# Allegro board Try it by yourself - iMX6Rex module - ADDR CMD CTL Length Matching.brd (continued)
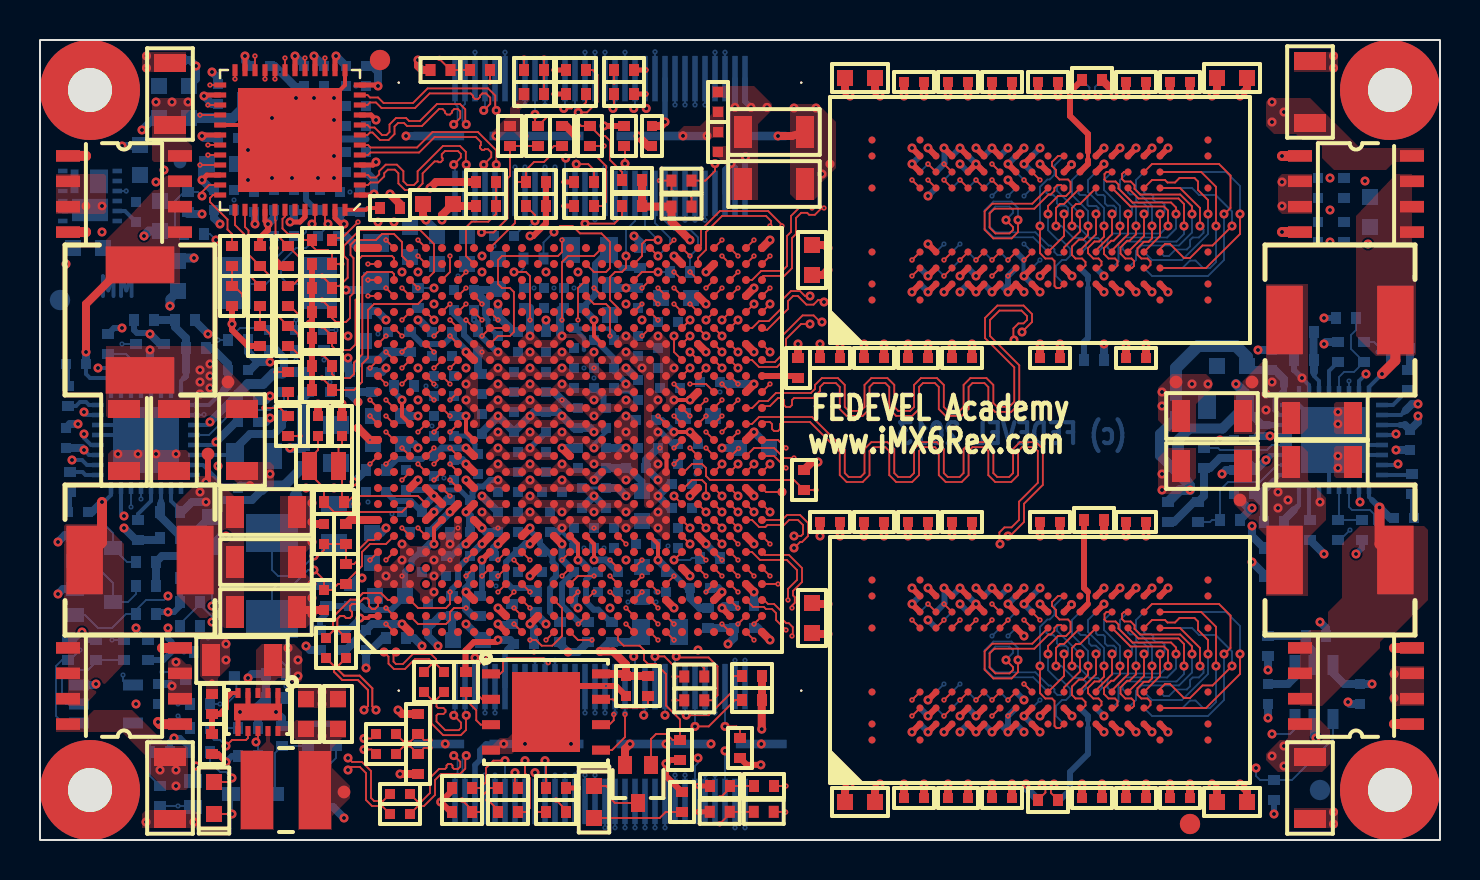
[diagram p0: board, top side]
## Routing (per net, layer and track width the routed paths; a pad name or vN(x,y) marks a point on that pad's centre or on a via; arc(x,y) is an arc through that point) (continued)
  L10 w0.08: v4(13.2,33.7) 13.2,33 12.8,32.6 11.4,32.6 11.1,32.9 10.9,32.9 10.75,32.75 10.75,31.8 10.6,31.65 10.35,31.65 10.2,31.8 10.2,32.1 10.02,32.28 9.31,32.28 9.16,32.13 9.16,31.88 9.31,31.73 9.47,31.73 9.62,31.57 9.62,31.33 9.47,31.18 8.57,31.18 8.3,30.9 7.95,30.9 7.8,30.75 7.8,30.5 7.95,30.35 8.2,30.35 8.35,30.2 8.35,29.95 8.2,29.8 7.1,29.8 6.95,29.65 6.95,29.4 7.09,29.26 7.09,29.04 6.9,28.85 6.5,28.85 6.35,28.7 6.35,28.45 6.5,28.3 6.7,28.3 v4(6.8,28.4)
  BOTTOM w0.101: v1(27.25,30.82) J1.33
SD3_CMD_R: length 8.4
  TOP w0.093: v2(12.4,21.8) R1.1 ; U1.B13 v2(17.3,20.4)
  L2 w0.1: v3(17.6,20.12) 17.3,20.41 v2(17.3,20.4) ; v3(12.4,21.4) v2(12.4,21.8)
  L3 w0.08: v3(17.6,20.12) 17.05,20.12 16.94,20.23 15.6,20.23 15.5,20.13 12.7,20.13 12.4,20.43 v3(12.4,21.4)
SD3_DATA0: length 53.4
  TOP w0.093: v2(19.7,20.4) U1.E14
  L2 w0.1: v2(19.7,20.4) v3(20,20.7)
  L3 w0.08: v3(20,20.7) 19.67,20.7 19.27,21.09 19.27,21.36 19.06,21.58 18.79,21.58 18.47,21.89 18.47,22.16 18.22,22.42 17.67,22.42 17.3,22.79 15.9,22.79 15.29,22.18 12.91,22.18 12.73,22.35 11.89,22.35 11.66,22.58 10.92,22.58 10.12,23.38 10.12,23.83 9.03,24.93 8.24,24.93 7.67,25.5 6.84,25.5 5.27,27.06 5.27,27.51 5,27.79 v4(5,28.5) ; v4(28.25,33.34) 27.99,33.09 25.55,33.09 25.32,32.85 23.65,32.85 23.43,32.63 20.28,32.63 19.74,33.18 18.71,33.18 17.41,34.48 16.56,34.48 16.34,34.25 15.22,34.25 14.9,34.57 14.25,34.57 14.07,34.4 13.25,34.4 12.8,34.85 v4(12.8,35.1)
  L10 w0.08: v4(28.25,33.34) v5(28.25,34.04) ; v4(12.8,35.1) 12.8,34.67 12.36,34.22 11.21,34.22 10.56,34.88 10.17,34.88 9.7,34.4 9.7,33.8 9.27,33.38 7.94,33.38 7.36,32.79 7.36,32.16 7,31.8 7,31.65 5.8,30.45 5.8,29.93 5.5,29.63 5.5,29 v4(5,28.5)
  L11 w0.1: v6(28.25,33.64) v5(28.25,34.04)
  BOTTOM w0.093: J1.29 v6(28.25,33.64)
SD3_DATA1: length 53.4
  TOP w0.093: v2(20.5,20.4) U1.F14
  L2 w0.1: v2(20.5,20.4) v3(20.8,20.7)
  L3 w0.08: v3(20.8,20.7) 20.47,20.7 20.12,21.04 20.12,21.58 19,22.7 17.93,22.7 17.65,22.99 15.72,22.99 15.22,22.48 12.9,22.48 12.78,22.6 11.92,22.6 11.72,22.8 11.22,22.8 10.32,23.7 10.32,23.91 8.53,25.7 6.97,25.7 5.5,27.17 v4(5.5,27.9) ; v4(28.55,38.54) 28.44,38.54 28.07,38.17 27.56,38.17 27.4,38.32 26.41,38.32 26.1,38.64 25.05,38.64 24.57,38.15 24.19,38.15 23.59,37.55 20.44,37.55 20.23,37.35 19.22,37.35 18.67,36.8 17.44,36.8 17.17,37.08 16.67,37.08 16.02,37.73 14.62,37.73 14.32,37.43 14.32,36.92 v4(13.7,36.3)
  L10 w0.08: v4(5.5,27.9) 5.5,28.57 6.4,29.47 6.4,30.2 8,31.8 8.3,31.8 9.3,32.8 9.6,32.8 10.4,33.6 12.5,33.6 13.4,34.5 13.4,36 v4(13.7,36.3) ; v5(28.25,38.98) 28.55,38.68 v4(28.55,38.54)
  L11 w0.1: v5(28.25,38.98) v6(28.25,39.38)
  BOTTOM w0.093: J1.30 v6(28.25,39.38)
SD3_DATA2: length 53.4
  TOP w0.093: v2(16.5,22) U1.A15
  L2 w0.1: v2(16.5,22) v3(16.8,21.7)
  L3 w0.08: v3(16.8,21.7) 16.56,21.7 16.39,21.52 15.72,21.52 15.3,21.1 13.54,21.1 13.3,21.34 13.06,21.34 12.7,21.7 11.81,21.7 11.71,21.6 11.22,21.6 10.82,22 10.6,22 9.6,23 9.6,23.79 8.89,24.5 8.03,24.5 7.43,25.1 6.57,25.1 4.87,26.8 v4(4.5,26.8) ; v4(12.2,34.6) 12.7,34.1 14.25,34.1 14.52,33.83 14.86,33.83 15.03,34 16.37,34 16.64,34.28 17.28,34.28 18.58,32.98 19.66,32.98 20.2,32.43 23.57,32.43 23.74,32.6 25.45,32.6 25.73,32.89 27.76,32.89 27.95,32.7 27.95,32.45 27.8,32.3 v4(27.4,32.3)
  L10 w0.08: v4(4.5,26.8) 4.3,26.8 4.15,26.95 4.15,27.18 4.32,27.35 4.85,27.35 5,27.5 5,27.75 4.85,27.9 4.3,27.9 4.15,28.05 4.15,28.28 4.3,28.43 4.48,28.43 4.62,28.58 4.62,28.76 5.2,29.33 5.2,29.67 5.57,30.04 5.57,30.64 6.7,31.77 6.7,32.1 7,32.4 7,32.85 8.05,33.9 8.3,33.9 8.5,33.7 9.2,33.7 9.4,33.9 9.4,34.9 9.7,35.2 10.7,35.2 11.3,34.6 v4(12.2,34.6) ; v4(27.4,32.3) 27.4,31.77 v5(27.75,31.42)
  L11 w0.1: v6(27.75,31.02) v5(27.75,31.42)
  BOTTOM w0.093: v6(27.75,31.02) J1.31
SD3_DATA3: length 53.4
  TOP w0.093: v2(17.3,22) U1.B15
  L2 w0.1: v2(17.3,22) v3(17.6,21.7)
  L3 w0.08: v4(4.3,29) 4.6,28.7 4.6,27.4 6.7,25.3 7.52,25.3 8.12,24.7 8.97,24.7 9.85,23.82 9.85,23.25 11.27,21.83 11.66,21.83 11.8,21.97 12.8,21.97 13.17,21.6 13.47,21.6 13.67,21.4 15.23,21.4 15.47,21.64 15.47,22.01 15.74,22.28 16.63,22.28 17.2,21.7 v3(17.6,21.7) ; v4(11.6,37.1) 12.27,37.1 12.7,37.53 12.7,37.9 12.85,38.05 13.1,38.05 13.25,37.9 13.25,37.73 13.4,37.57 13.64,37.57 14.04,37.98 16.06,37.98 16.71,37.33 17.2,37.33 17.52,37 18.54,37 19.14,37.6 20.2,37.6 20.2,37.6 20.43,37.83 23.58,37.83 24.16,38.4 24.53,38.4 25.02,38.89 26.21,38.89 26.52,38.58 v4(27.75,38.58)
  L10 w0.08: v4(27.75,38.58) v5(27.75,38.98) ; v4(11.6,37.1) 11.65,37.05 11.65,36.72 11.5,36.57 11.25,36.57 10.75,37.07 10.5,37.07 10.35,36.92 10.35,36.67 10.55,36.47 10.55,36.22 10.4,36.07 10.15,36.07 10.02,36.2 9.83,36.2 8.46,34.83 8.12,34.83 6.17,32.88 6.17,32.57 5.82,32.22 5.82,31.43 4.82,30.43 4.82,29.53 v4(4.3,29)
  L11 w0.1: v5(27.75,38.98) v6(27.75,39.38)
  BOTTOM w0.093: J1.32 v6(27.75,39.38)
SD3_WP: length 51.6
  TOP w0.093: v1(29.25,33.82) 29.25,34.65 R40.1 ; v2(18.1,22.8) U1.C17
  L2 w0.1: v2(18.1,22.8) v3(18.4,23.1)
  L3 w0.08: v4(5.9,29.5) 5.9,27.83 6.9,26.83 6.9,26.47 7.44,25.93 8.66,25.93 11.26,23.33 11.48,23.33 11.94,22.87 14.58,22.87 15.03,23.32 16.22,23.32 16.5,23.6 16.77,23.6 17.14,23.22 18.27,23.22 v3(18.4,23.1) ; v1(29.25,33.82) 28.93,33.5 28.62,33.5 28.3,33.82 27.99,33.82 27.45,33.29 26.7,33.29 26.38,33.6 25.5,33.6 25,33.1 23.57,33.1 23.3,32.83 20.37,32.83 19.82,33.38 18.84,33.38 17.54,34.68 16.48,34.68 16.3,34.5 15.4,34.5 15,34.9 14.13,34.9 13.96,34.73 13.54,34.73 13.3,34.97 13.3,35.17 12.87,35.6 v4(12.2,35.6)
  L10 w0.08: v4(12.2,35.6) 12.9,35.6 13.17,35.33 13.17,34.68 12.42,33.93 10.22,33.93 9.4,33.1 8.8,33.1 8.27,32.57 7.94,32.57 7.72,32.36 7.72,31.93 6.1,30.3 6.1,29.7 v4(5.9,29.5)
  BOTTOM w0.093: J1.25 v1(29.25,33.82)
SENSE_1V5: length 3.5
  BOTTOM w0.4: U6.5 63.7,9.4 63.3,9.8 R67.2 R59.1
TAMPER: length 19
  TOP w0.093: v2(19.7,18) U1.E11
  L2 w0.1: v3(19.4,18.3) v2(19.7,18)
  L3 w0.08: v3(19.4,18.3) 19.32,18.38 18.74,18.38 18.52,18.16 18.52,17.96 17.5,16.93 16.46,16.93 15.93,16.4 13,16.4 12.1,15.5 10.51,15.5 9.59,14.58 8.57,14.58 7.8,13.8 7.8,12 8.1,11.7 v1(8.6,11.7)
  BOTTOM w0.093: R55.1 8.6,12.5 v1(8.6,11.7)
TEST_MODE: length 24.4
  TOP w0.093: v2(19.7,18.8) U1.E12
  L2 w0.1: v2(19.7,18.8) v3(20,19.1)
  L3 w0.08: v4(6.8,9.8) 6.8,10.1 6.67,10.23 6.17,10.23 5.75,10.65 5.75,13.74 7.8,15.79 8.1,15.79 9.34,17.03 11.52,17.03 12,17.5 12,17.97 13.23,19.2 15.72,19.2 16.12,19.6 18.37,19.6 18.74,19.98 19.12,19.98 v3(20,19.1)
  L10 w0.08: v5(6.8,9.4) v4(6.8,9.8)
  L11 w0.1: v5(6.8,9.4) v6(7.2,9.4)
  BOTTOM w0.093: v6(7.2,9.4) R56.2
TRD0_N: length 9.8
  TOP w0.09: v1(21.31,33.77) 21.29,33.79 21.29,34.41 21,34.7 20.15,34.7 18.88,33.43 18.88,32.93 18.7,32.75 18.36,32.75 18.17,32.94 18.17,33.44 17.84,33.77 17.29,33.77 16.96,33.44 16.96,33.29 16.8,33.13 16.52,33.13 16.4,33.25 U8.3
  BOTTOM w0.09: J1.57 21.25,33.71 v1(21.31,33.77)
TRD0_P: length 9.8
  TOP w0.09: v1(20.69,33.77) 21.04,34.12 21.04,34.3 20.9,34.45 20.25,34.45 20.09,34.29 20.09,34.13 20.13,34.09 20.13,33.99 20.03,33.89 19.93,33.89 19.89,33.93 19.73,33.93 19.13,33.33 19.13,32.83 18.8,32.5 18.25,32.5 17.92,32.83 17.92,33.34 17.74,33.52 17.39,33.52 17.21,33.34 17.21,33.18 16.9,32.88 16.52,32.88 16.4,32.75 U8.2
  BOTTOM w0.09: J1.59 20.75,33.71 v1(20.69,33.77)
TRD1_N: length 9.8
  TOP w0.09: v1(22.81,33.77) 22.81,34.48 21.9,35.4 19.63,35.4 18.85,34.63 16.52,34.63 16.4,34.75 U8.6
  BOTTOM w0.09: v1(22.81,33.77) 22.75,33.71 J1.51
TRD1_P: length 9.8
  TOP w0.09: v1(22.19,33.77) 22.56,34.14 22.56,34.38 22.4,34.54 22.24,34.54 22.2,34.5 22.1,34.5 22,34.6 22,34.7 22.04,34.74 22.04,34.9 21.79,35.15 19.73,35.15 18.96,34.38 16.52,34.38 16.4,34.25 U8.5
  BOTTOM w0.09: J1.53 22.25,33.71 v1(22.19,33.77)
TRD2_N: length 9.8
  TOP w0.09: U8.8 16.37,35.75 16.5,35.63 16.73,35.63 17.1,35.25 17.32,35.25 17.47,35.4 17.47,35.78 17.8,36.1 18.3,36.1 18.45,35.95 19,35.95 19.85,36.8 21,36.8 21.26,36.54 21.26,35.83 v1(21.31,35.78)
  BOTTOM w0.09: J1.58 21.25,36.8 21.12,36.67 21.12,35.97 v1(21.31,35.78)
TRD2_P: length 9.8
  TOP w0.09: U8.7 16.37,35.25 16.5,35.38 16.62,35.38 17,35 17.43,35 17.72,35.3 17.72,35.67 17.9,35.85 18.2,35.85 18.35,35.7 19.1,35.7 19.95,36.55 20.13,36.55 20.25,36.44 20.25,36.37 20.35,36.27 20.5,36.27 20.6,36.37 20.6,36.44 20.71,36.55 20.9,36.55 21.01,36.43 21.01,36.11 v1(20.69,35.78)
  BOTTOM w0.09: J1.60 20.75,36.8 20.87,36.67 20.87,35.97 v1(20.69,35.78)
TRD3_N: length 9.8
  TOP w0.09: U8.11 16.37,37.25 16.5,37.13 16.9,37.13 17.18,36.85 18.65,36.85 19.38,37.58 22.4,37.58 22.76,37.22 22.76,36.53 v1(22.81,36.48)
  BOTTOM w0.09: J1.52 22.75,36.54 v1(22.81,36.48)
TRD3_P: length 9.8
  TOP w0.09: U8.10 16.37,36.75 16.5,36.88 16.8,36.88 17.07,36.6 18.75,36.6 19.48,37.33 21.53,37.33 21.65,37.22 21.65,37.15 21.75,37.05 21.9,37.05 22,37.15 22,37.22 22.11,37.33 22.3,37.33 22.51,37.12 22.51,36.81 v1(22.19,36.48)
  BOTTOM w0.09: v1(22.19,36.48) 22.25,36.54 J1.54
UART1_CTS: length 21.8
  TOP w0.093: U1.G21 v2(22.1,26)
  L2 w0.1: v2(22.1,26) v3(22.4,26.3)
  L3 w0.08: v3(22.4,26.3) 22.17,26.3 21.62,26.85 21.62,27.7 21.9,27.98 22.27,27.98 22.89,28.59 23.36,28.59 23.54,28.78 25.6,28.78 25.85,28.53 26.24,28.53 26.74,28.03 27.22,28.03 27.75,28.55 29.18,28.55 30.28,29.65 30.28,30.36 32.62,32.71 32.62,32.99 32.75,33.11 v4(32.75,33.57)
  L10 w0.08: v5(32.75,31.39) v4(32.75,33.57)
  L11 w0.1: v6(32.75,30.99) v5(32.75,31.39)
  BOTTOM w0.093: J1.11 v6(32.75,30.99)
UART1_DCD: length 22.1
  TOP w0.093: v2(18.9,30) U1.D25
  L2 w0.1: v2(18.9,30) v3(19.2,30.3)
  L3 w0.08: v3(19.2,30.3) 19.4,30.3 20.48,29.22 20.83,29.22 21.61,30 23,30 23.17,29.83 25.91,29.83 26.34,29.4 27.97,29.4 28.92,30.36 28.92,30.52 29.39,30.98 29.57,30.98 31.47,32.89 31.47,33.23 31.25,33.46 v4(31.25,34.17)
  L10 w0.08: v5(31.75,37.16) 31.75,35.08 31.25,34.58 v4(31.25,34.17)
  L11 w0.1: v6(31.75,36.76) v5(31.75,37.16)
  BOTTOM w0.093: J1.16 v6(31.75,36.76)
UART1_DSR: length 18.6
  TOP w0.093: U1.G22 v2(22.1,26.8)
  L2 w0.1: v2(22.1,26.8) v3(22.4,27.1)
  L3 w0.08: v4(33.25,32.97) 33.22,32.97 30.52,30.27 30.52,29.53 29.3,28.3 27.78,28.3 27.31,27.83 26.58,27.83 26.37,28.03 26.1,28.3 25.8,28.3 25.52,28.03 25.14,28.03 24.87,28.3 24.2,28.3 23.92,28.03 23.32,28.03 v3(22.4,27.1)
  L10 w0.08: v5(33.25,31.39) v4(33.25,32.97)
  L11 w0.1: v6(33.25,30.99) v5(33.25,31.39)
  BOTTOM w0.093: J1.9 v6(33.25,30.99)
UART1_DTR: length 20
  TOP w0.093: U1.F22 v2(21.3,27.6)
  L2 w0.1: v3(21,27.9) v2(21.3,27.6)
  L3 w0.08: v4(31.75,33.57) 31.67,33.49 31.67,32.75 29.7,30.78 29.47,30.78 29.12,30.44 29.12,30.22 28.1,29.2 26.2,29.2 25.84,29.56 23,29.56 22.76,29.8 21.7,29.8 20.7,28.8 20.7,28.2 v3(21,27.9)
  L10 w0.08: v5(31.75,31.39) v4(31.75,33.57)
  L11 w0.1: v6(31.75,30.99) v5(31.75,31.39)
  BOTTOM w0.093: J1.15 v6(31.75,30.99)
UART1_RI: length 21.8
  TOP w0.093: U1.F23 v2(21.3,28.4)
  L2 w0.1: v3(21,28.7) v2(21.3,28.4)
  L3 w0.08: v4(32.25,34.17) 32.25,33.54 31.87,33.16 31.87,32.62 29.84,30.58 29.55,30.58 29.32,30.36 29.32,30.09 28.24,29 26.07,29 25.77,29.3 22.8,29.3 22.5,29.6 21.9,29.6 v3(21,28.7)
  L10 w0.08: v5(33.25,37.16) 33.75,36.66 33.75,34.96 33,34.21 32.29,34.21 v4(32.25,34.17)
  L11 w0.1: v6(33.25,36.76) v5(33.25,37.16)
  BOTTOM w0.093: v6(33.25,36.76) J1.10
UART1_RTS: length 20
  TOP w0.093: v2(21.3,26) U1.G20
  L2 w0.1: v2(21.3,26) v3(21.6,26.3)
  L3 w0.08: v4(32.25,32.97) 32.25,32.66 30.08,30.49 30.08,29.88 29.9,29.7 29.27,29.7 28.34,28.78 25.96,28.78 25.7,29.04 22.47,29.04 22.26,28.83 21.99,28.83 21.3,28.13 21.3,27.13 21.37,27.06 21.37,26.53 v3(21.6,26.3)
  L10 w0.08: v5(32.25,31.39) v4(32.25,32.97)
  L11 w0.1: v6(32.25,30.99) v5(32.25,31.39)
  BOTTOM w0.093: J1.13 v6(32.25,30.99)
UART1_RXD: length 98.1
  TOP w0.093: U1.M3 26.1,11.6 26.1,10.2 25.61,9.71 25.08,9.71 24.8,10 v4(24.5,10)
  L2 w0.1: v3(24.2,10.3) v4(24.5,10)
  L3 w0.08: v4(32.25,36.62) 32.01,36.86 31.31,36.86 30.22,35.78 29.66,35.78 29.27,35.38 28.41,35.38 28.28,35.25 27.42,35.25 26.95,34.78 25.48,34.78 24.6,33.9 23.51,33.9 23,33.39 20.53,33.39 19.82,34.1 19.02,34.1 18.29,34.83 18.11,34.83 17.73,35.2 v4(16.1,35.2) ; v3(24.2,10.3) v4(24.5,10)
  L10 w0.08: v4(24.5,10) 24.54,10 24.94,9.6 25.92,9.6 26.1,9.78 26.56,9.78 26.77,9.56 26.77,7.8 27.12,7.45 27.12,6.51 27.62,6.01 27.62,4.98 28.3,4.3 28.3,3 27.67,2.38 27.67,1.68 27.27,1.27 18.13,1.27 17.7,1.7 11.14,1.7 10.86,1.98 8.62,1.98 7.42,3.17 7.42,3.93 7.6,4.1 7.6,5.95 7.35,6.2 7.35,7.82 5.72,9.44 5.72,9.98 6,10.25 6,14.89 6.42,15.32 6.42,19.54 5.71,20.25 5.71,21.11 6,21.4 6,24 6.15,24.15 6.15,25.32 7.2,26.37 7.7,26.37 10.75,29.42 10.75,29.65 11.32,30.22 11.69,30.22 12.1,30.63 12.1,31.03 12.34,31.28 13.3,31.28 13.4,31.18 15.29,31.18 16,31.89 16,34.7 16.1,34.8 v4(16.1,35.2) ; v4(32.25,36.62) v5(32.25,37.16)
  L11 w0.1: v6(32.25,36.76) v5(32.25,37.16)
  BOTTOM w0.093: v6(32.25,36.76) J1.14
UART1_TXD: length 97.4
  TOP w0.093: v4(25.3,10) U1.M1
  L2 w0.1: v3(25,10.3) v4(25.3,10)
  L3 w0.08: v3(25,10.3) v4(25.3,10) ; v4(15.3,35.2) 15.67,34.83 16.26,34.83 16.43,35 17.65,35 18.02,34.63 18.16,34.63 18.94,33.85 19.79,33.85 20.45,33.19 23.13,33.19 23.59,33.65 24.68,33.65 25.56,34.53 27.03,34.53 27.5,35 28.31,35 28.49,35.18 29.35,35.18 29.74,35.57 30.36,35.57 31.39,36.61 31.73,36.61 32.09,36.24 32.52,36.24 v4(32.75,36.02)
  L10 w0.08: v4(15.3,35.2) 15.7,34.8 15.7,31.97 15.16,31.43 13.47,31.43 13.4,31.5 12.2,31.5 11.9,31.2 11.9,30.77 11.56,30.43 11.16,30.43 10.45,29.72 10.45,29.45 7.6,26.6 7.1,26.6 5.9,25.4 5.9,24.3 5.7,24.1 5.7,21.48 5.45,21.23 5.45,20.18 6.17,19.46 6.17,15.5 5.7,15.03 5.7,11.8 5.8,11.7 5.8,10.33 5.5,10.03 5.5,9.33 7.1,7.73 7.1,6 7.3,5.8 7.3,4.2 7.17,4.08 7.17,3.03 8.42,1.78 10.78,1.78 11.05,1.5 17.6,1.5 18.03,1.07 27.35,1.07 27.87,1.59 27.87,2.19 28.55,2.87 28.55,4.43 27.87,5.11 27.87,6.14 27.37,6.64 27.37,7.59 27,7.96 27,9.71 26.71,10 v4(25.3,10) ; v4(32.75,36.02) v5(32.75,37.16)
  L11 w0.1: v6(32.75,36.76) v5(32.75,37.16)
  BOTTOM w0.093: v6(32.75,36.76) J1.12
UART2_CTS: length 49.7
  TOP w0.093: U1.B20 v2(18.1,25.2)
  L2 w0.1: v3(17.8,25.5) v2(18.1,25.2)
  L3 w0.08: v4(17.5,25.2) v3(17.8,25.5)
  L10 w0.08: v5(27.75,3.64) 27.21,3.1 27,3.1 26.8,2.9 26.8,2.63 25.99,1.82 20.69,1.82 20.22,2.3 13.82,2.3 13.37,2.75 10.75,2.75 9.67,3.82 9.67,5.52 10.4,6.25 10.4,6.53 9.27,7.66 9.27,8.44 9.7,8.87 9.7,10.05 11.7,12.05 11.7,17.37 11.88,17.54 11.88,18.42 12.9,19.45 12.9,22.33 14.8,24.23 14.8,24.5 15.1,24.8 15.6,24.8 15.92,25.13 17.42,25.13 v4(17.5,25.2)
  L11 w0.1: v6(27.75,3.24) v5(27.75,3.64)
  BOTTOM w0.093: J2.31 v6(27.75,3.24)
UART2_RTS: length 48.8
  TOP w0.093: v2(18.1,24.4) U1.C19
  L2 w0.1: v2(18.1,24.4) v3(18.4,24.7)
  L3 w0.08: v4(18,24.8) 18.1,24.7 v3(18.4,24.7)
  L10 w0.08: v5(27.25,3.64) 27.24,3.64 26.58,2.98 26.58,2.69 25.91,2.03 20.78,2.03 20.28,2.52 13.93,2.52 13.45,3 10.83,3 9.92,3.9 9.92,5.44 10.6,6.12 10.6,6.66 9.53,7.74 9.53,8.41 9.9,8.79 9.9,9.97 11.9,11.97 11.9,17.29 12.07,17.46 12.07,18.34 13.1,19.37 13.1,22.2 15.02,24.12 15.02,24.33 15.2,24.5 15.58,24.5 16.01,24.93 17.24,24.93 17.37,24.8 v4(18,24.8)
  L11 w0.1: v6(27.25,3.24) v5(27.25,3.64)
  BOTTOM w0.093: J2.33 v6(27.25,3.24)
UART2_RXD: length 48.7
  TOP w0.093: v4(19.7,23.6) U1.E18
  L2 w0.1: v3(19.4,23.9) v4(19.7,23.6)
  L3 w0.08: v3(19.4,23.9) v4(19.7,23.6)
  L10 w0.08: v4(19.7,23.6) 19.1,24.2 17.4,24.2 17.08,24.53 16.32,24.53 15.97,24.18 15.97,23.86 15.61,23.5 15.07,23.5 13.5,21.93 13.5,19.2 12.47,18.18 12.47,17.3 12.3,17.12 12.3,11.8 10.3,9.8 10.3,8.62 10.02,8.35 10.02,7.9 11,6.93 11,5.85 10.42,5.28 10.42,4.07 10.99,3.5 13.62,3.5 14.2,2.92 20.45,2.92 20.94,2.43 25.71,2.43 25.96,2.68 25.96,3.17 26.44,3.64 v5(26.75,3.64)
  L11 w0.1: v6(26.75,3.24) v5(26.75,3.64)
  BOTTOM w0.093: J2.35 v6(26.75,3.24)
UART2_TXD: length 47.8
  TOP w0.093: U1.D19 v2(19.7,24.4)
  L2 w0.1: v3(19.4,24.7) v2(19.7,24.4)
  L3 w0.08: v3(19.4,24.7) 19.1,24.7 v4(19,24.8)
  L10 w0.08: v4(19,24.8) 18.62,24.43 17.46,24.43 17.16,24.73 16.19,24.73 15.77,24.31 15.77,23.94 15.56,23.73 14.96,23.73 13.3,22.06 13.3,19.28 12.27,18.26 12.27,17.38 12.1,17.2 12.1,11.88 10.1,9.88 10.1,8.7 9.77,8.38 9.77,7.82 10.8,6.8 10.8,5.98 10.17,5.36 10.17,3.99 10.91,3.25 13.54,3.25 14.07,2.72 20.36,2.72 20.86,2.23 25.79,2.23 26.25,2.69 v5(26.25,2.84)
  L11 w0.1: v5(26.25,2.84) v6(26.25,3.24)
  BOTTOM w0.093: J2.37 v6(26.25,3.24)
UGATE1_2V5: length 14.6
  TOP w0.5: v1(62.1,34.2) 62.99,34.2 Q6.1
  L3 w0.6: v1(66.3,23.3) 66.3,23.6 ; 62.4,33.9 v1(62.1,34.2)
  L3 w0.8: 66.3,23.6 66.3,26.3 63.7,28.9 63.7,32.6 62.4,33.9
  BOTTOM w0.2: U13.15 65.95,22.95 v1(66.3,23.3)
UGATE1_3V3: length 17.9
  TOP w0.5: Q3.1 6,5.8 v1(5.9,5.9)
  L3 w0.5: 3.2,15.82 3.58,16.2 v1(4.2,16.2)
  L3 w0.6: v1(5.9,5.9) 5.6,5.9
  L3 w0.8: 3.2,15.82 1.8,14.42 1.8,11.4 1.2,10.8 1.2,10.1 2,9.3 2,7.3 3.4,5.9 5.6,5.9
  BOTTOM w0.2: U11.15 4.05,16.35 v1(4.2,16.2)
UGATE2_1V5: length 14.3
  TOP w0.5: v1(67.7,5.8) 68.59,5.8 Q7.1
  L3 w0.6: 67.17,6.2 67.57,5.8 v1(67.7,5.8) ; v1(66,16.9) 65.8,16.7
  L3 w0.8: 65.8,16.7 65.07,15.98 65.07,10.83 65.87,10.03 65.87,7.5 67.17,6.2
  BOTTOM w0.2: U13.26 65.95,16.95 v1(66,16.9)
UGATE2_1V375: length 14.5
  TOP w0.5: v1(2.3,34.2) 2.29,34.21 Q4.1
  L3 w0.6: 3.1,24.6 3.1,23.8 v1(2.9,23.6) ; v1(2.3,34.2) 2.5,34 ; 3.82,30.6 3.82,30.1 3.4,29.67 3.4,28 3.1,27.7 3.1,27.1
  L3 w0.8: 3.82,30.6 3.82,32.68 2.5,34 ; 3.1,27.1 3.1,24.6
  BOTTOM w0.2: v1(2.9,23.6) 3.5,23.6 4.05,23.05 U11.26
USB0_ID: length 112
  TOP w0.093: v2(28.5,13.2) U1.T4
  L2 w0.1: v3(28.2,12.9) v2(28.5,13.2)
  L3 w0.08: v3(28.2,12.9) 28.4,12.9 29.13,13.63 30.87,13.63 31.65,12.84 31.65,12.08 31.11,11.55 31.11,9.88 31.39,9.6 32.1,9.6 32.41,9.29 32.41,9.03 32.87,8.57 32.87,8.37 35.4,5.84 35.4,4.4 35.65,4.15 36.18,4.15 36.63,3.7 37.59,3.7 38.09,3.2 50.4,3.2 51.5,4.3 57.7,4.3 61.1,7.7 61.7,7.7 62.5,8.5 v4(63.1,8.5) ; v4(63.4,37.5) 62.4,38.5 52.7,38.5 52.3,38.9 39.2,38.9 39,39.1 36.64,39.1 36,38.46 34.75,38.46 34.29,38.92 31.26,38.92 v4(31.05,38.71)
  L10 w0.08: v5(30.75,39.01) v4(31.05,38.71) ; v4(63.4,37.5) 63.4,33.7 64,33.1 64,28.1 63.5,27.6 63.5,24.58 62.62,23.7 62.62,22.87 63.1,22.4 v4(63.1,8.5)
  L11 w0.1: v5(30.75,39.01) v6(30.75,39.41)
  BOTTOM w0.093: J1.20 v6(30.75,39.41)
USB0_N: length 55.4
  TOP w0.101: v2(17.3,14) U1.B6
  L2 w0.1: v2(17.3,14) v3(17.6,14.3)
  L3 w0.085: v3(17.6,14.3) 17.5,14.4 17.5,14.9 17.2,15.2 16.38,15.2 16.08,15.5 13.4,15.5 12.72,14.82 10.74,14.82 9.62,13.7 8.8,13.7 v4(8.6,13.9) ; v4(19.2,34.6) 19.38,34.78 19.67,34.78 19.91,34.54 24.36,34.54 25.54,35.71 27.29,35.71 27.73,36.15 28.28,36.15 28.41,36.01 29.3,36.01 29.48,36.2 29.93,36.2 v1(30.31,36.58)
  L10 w0.085: v4(8.6,13.9) 8.6,13.84 8.36,13.6 8.2,13.6 8.1,13.7 8.1,14.25 8.15,14.3 8.27,14.3 8.32,14.35 8.32,14.5 8.27,14.55 8.15,14.55 8.1,14.6 8.1,14.92 8.4,15.22 8.4,16.19 8.87,16.65 8.87,18.14 8.53,18.47 8.53,18.95 8.65,19.07 8.85,19.07 9.6,19.82 9.6,22.08 9.83,22.32 9.83,25.18 10.17,25.52 10.17,26.07 13.09,28.99 16.77,28.99 18.27,30.48 18.27,31.43 18.07,31.63 18.07,34.17 18.35,34.45 18.6,34.45 18.65,34.5 18.65,34.75 18.8,34.9 18.9,34.9 v4(19.2,34.6)
  BOTTOM w0.101: J1.22 30.25,36.64 v1(30.31,36.58)
USB0_P: length 55.4
  TOP w0.101: v2(16.5,14) U1.A6
  L2 w0.1: v2(16.5,14) v3(16.8,14.3)
  L3 w0.085: v1(29.69,36.58) 29.69,36.81 29.6,36.9 29.4,36.9 29.3,36.8 29.3,36.3 29.21,36.21 28.5,36.21 28.36,36.35 27.64,36.35 27.21,35.91 25.46,35.91 24.28,34.74 20,34.74 19.75,34.98 19.42,34.98 v4(19.2,35.2) ; v3(16.8,14.3) 17.09,14.3 17.3,14.51 17.3,14.82 17.12,15 16.3,15 16,15.3 13.48,15.3 12.8,14.62 10.82,14.62 9.7,13.5 8.8,13.5 v4(8.6,13.3)
  L10 w0.085: v4(8.6,13.3) 8.5,13.4 8.12,13.4 7.9,13.62 7.9,15 8.2,15.3 8.2,16.27 8.67,16.74 8.67,18.05 8.33,18.39 8.33,19.03 8.57,19.27 8.77,19.27 9.4,19.9 9.4,22.17 9.63,22.4 9.63,25.26 9.97,25.6 9.97,26.15 13.01,29.19 16.69,29.19 18.07,30.57 18.07,31.35 17.87,31.55 17.87,34.25 18.72,35.1 19.1,35.1 v4(19.2,35.2)
  BOTTOM w0.101: J1.24 29.75,36.64 v1(29.69,36.58)
USB0_PWR_EN: length 24.8
  TOP w0.093: U1.E23 20.5,28.4 v2(20.5,29.2)
  L2 w0.1: v2(20.5,29.2) v3(20.5,29.6)
  L3 w0.08: v3(20.5,29.6) v4(20.5,30)
  L10 w0.08: v5(29.25,38.98) 29.25,38.33 28.49,37.57 26.83,37.57 26.5,37.9 26.5,38.5 26,39 23.93,39 23.73,38.8 23.2,38.8 22.92,39.08 21.98,39.08 20.87,37.97 20.87,37.34 19.7,36.17 19.7,34.57 18.85,33.72 18.85,30.85 19.7,30 v4(20.5,30)
  L11 w0.1: v5(29.25,38.98) v6(29.25,39.38)
  BOTTOM w0.093: J1.26 v6(29.25,39.38)
USB1_N: length 20.4
  TOP w0.101: v2(20.5,18) U1.F10
  L2 w0.1: v2(20.5,18) v3(20.8,17.7)
  L3 w0.085: v3(20.8,17.7) 20.4,18.1 19.7,18.1 17.92,16.32 17.92,15.58 18.7,14.8 18.7,13.03 19.13,12.6 19.13,12.17 19.46,11.83 19.67,11.83 20.2,11.3 20.2,11.1 21.7,9.6 22.3,9.6 22.5,9.4 22.82,9.4 24.02,8.2 24.42,8.2 v4(24.59,8.03)
  L10 w0.085: v5(25.75,8.58) 25.72,8.56 25.72,8.04 25.43,7.75 24.87,7.75 v4(24.59,8.03)
  L11 w0.1: v5(25.75,8.58) v6(25.75,8.98)
  BOTTOM w0.101: J2.40 v6(25.75,8.98)
USB1_P: length 20.3
  TOP w0.101: U1.E10 v2(20.5,17.2)
  L2 w0.1: v3(20.2,17.5) v2(20.5,17.2)
  L3 w0.085: v3(20.2,17.5) 20.2,17.35 20.3,17.25 20.5,17.25 20.59,17.34 20.59,17.49 20.51,17.58 20.51,17.71 20.32,17.9 19.78,17.9 18.12,16.24 18.12,15.66 18.9,14.88 18.9,13.12 19.33,12.68 19.33,12.25 19.55,12.03 19.75,12.03 20.4,11.38 20.4,11.18 21.78,9.8 22.38,9.8 22.58,9.6 22.9,9.6 24.1,8.4 24.39,8.4 v4(24.59,8.59)
  L10 w0.085: v5(25.25,8.58) 25.52,8.31 25.52,8.13 25.35,7.95 25.1,7.95 25,8.05 25,8.18 v4(24.59,8.59)
  L11 w0.1: v5(25.25,8.58) v6(25.25,8.98)
  BOTTOM w0.101: J2.42 v6(25.25,8.98)
USB1_PWR_EN: length 96.5
  TOP w0.093: U1.H21 v2(22.9,26)
  L2 w0.1: v2(22.9,26) v3(23.2,26.3)
  L3 w0.08: v4(22,27.4) 22,27.1 22.51,26.59 22.52,26.59 22.8,26.3 v3(23.2,26.3) ; v4(23.42,38.2) 23.05,38.57 21.89,38.57 21.52,38.21 19.81,38.21 v4(19.6,38)
  L10 w0.08: v4(23.42,38.2) 23.03,38.2 22.66,38.57 22.24,38.57 21.47,37.8 21.47,37.17 20.3,36 20.3,34.4 20,34.1 20,31.7 21.14,30.56 21.14,28.26 v4(22,27.4) ; v4(19.6,38) 18.02,36.43 18.02,36.09 16.42,34.49 16.42,32.56 16.32,32.46 16.32,31.73 15.57,30.98 15.57,30.64 15.36,30.43 12.35,30.43 11.9,29.98 11.54,29.98 11.32,29.76 11.32,29.22 8.8,26.7 8.5,26.7 7.8,26 7.5,26 6.55,25.05 6.55,24.15 6.3,23.9 6.3,20.33 7.17,19.46 7.17,17.46 6.99,17.27 6.99,15.09 6.77,14.88 6.77,10.36 7.3,9.83 7.3,8.6 7.7,8.2 7.7,6.6 8.1,6.2 8.1,4 8.3,3.8 8.3,2.9 8.9,2.3 10.82,2.3 11.12,2 18,2 18.47,1.53 26.84,1.53 27.47,2.16 27.47,2.68 28.03,3.24 28.03,3.76 27.42,4.37 27.42,4.59 26.62,5.39 26.62,6.08 26.3,6.41 26.3,8.82 25.94,9.18 24.95,9.18 v5(24.75,9.38)
  L11 w0.1: v6(24.75,8.98) v5(24.75,9.38)
  BOTTOM w0.093: J2.44 v6(24.75,8.98)
USB_OC: length 28.6
  TOP w0.093: U1.J20 U1.H20 v2(22.1,25.2) ; R100.1 28.7,36.63 v1(28.65,36.58)
  L2 w0.1: v2(22.1,25.2) v3(22.4,24.9)
  L3 w0.08: v3(22.4,24.9) v4(22.4,25.4)
  L10 w0.08: v1(28.65,36.58) 28.04,37.19 26.71,37.19 26.1,37.8 26.1,38.3 25.82,38.57 23.04,38.57 22.79,38.83 22.11,38.83 21.17,37.88 21.17,37.25 20,36.08 20,34.5 19.1,33.6 19.1,31.9 19.72,31.28 19.72,30.84 20.18,30.39 20.64,30.39 20.89,30.14 20.89,28.08 21.62,27.34 21.62,27.18 21.9,26.9 21.9,26.6 22.4,26.1 v4(22.4,25.4)
  BOTTOM w0.093: J1.28 28.75,36.68 v1(28.65,36.58)
USER_LED: length 10.4
  TOP w0.093: Q2.1 30.55,5.05 30.8,5.3 31.33,5.3 31.63,5 R115.1 32,6.02 31.3,6.72 31.3,8.3 30.79,8.81 30.4,8.81 30.4,8.8 30.2,9 30.2,9.5 29.98,9.71 29.18,9.71 28.9,10 U1.T1
WD_OUT: length 81.9
  TOP w0.093: v2(27.7,27.6) U1.R22
  L2 w0.1: v2(27.7,27.6) v3(28,27.9)
  L3 w0.08: v4(15.3,32.2) 15.8,31.7 18.07,31.7 18.2,31.57 19.54,31.57 19.74,31.38 20.33,31.38 20.55,31.16 24.14,31.16 24.51,31.53 24.99,31.53 25.29,31.23 26.24,31.23 27.05,30.42 27.49,30.42 29.4,32.33 29.4,33.25 30,33.86 30.35,33.86 30.67,34.18 30.67,34.43 31.07,34.83 33.27,34.83 34.12,33.98 34.12,33.3 31.27,30.45 31.27,29.04 31.06,28.83 30.62,28.83 29.77,27.98 29,27.98 28.92,27.9 v3(28,27.9)
  L10 w0.08: v4(15.3,32.2) 15.3,34.2 14.7,34.8 14.7,35.47 15.45,36.22 15.58,36.22 16.07,36.71 16.07,37.53 15.1,38.5 9.65,38.5 8.95,37.8 7.4,37.8 6.97,37.38 6.97,36.41 5.45,34.88 5.2,34.88 4.31,34 3.92,34 1.92,32 1.92,30.08 2.1,29.9 2.1,25.2 3.3,24 3.3,23.3 2.57,22.58 2.57,18.87 2.1,18.4 2.1,12.4 3.1,11.4 3.1,10.9 v5(3.6,10.4)
  L11 w0.1: v6(3.6,10) v5(3.6,10.4)
  BOTTOM w0.093: v6(3.6,10) R71.1
WD_OUT_R: length 5.8
  BOTTOM w0.093: 2.9,9 R71.2 4.3,9 ; 2.9,9 R69.1 ; 2.9,9 2.4,8.5 1.4,8.5 1.1,8.2 1.1,7 1.3,6.8 U7.2
ZQPAD: length 1.8
  TOP w0.3: R10.1 37.8,23.2 U1.AE17

## Copper pours and planes (outline as drawn; the poured copper is in the pictures)
+1V1_VDDSOC_CAP on TOP: 28.8,19.8 29,19.8 29.2,20 29.4,20 29.6,19.8 29.8,19.8 29.9,19.9 29.9,20.9 29.5,21.3 29.1,21.3 28.7,20.9 28.7,19.9
+1V1_VDDSOC_CAP on TOP: 28,17.4 28.8,17.4 29.1,17.1 29.5,17.1 29.9,17.5 29.9,17.7 29.8,17.8 29.6,17.8 29.4,17.6 29.2,17.6 29,17.8 28,17.8 27.9,17.7 27.9,17.5
+1V1_VDDSOC_CAP on BOTTOM: 29.7,19.3 30.1,19.3 30.1,21.4 31.2,21.4 31.7,20.9 31.7,20.8 32.6,20.8 32.6,21.6 31.7,21.6 31.6,21.7 30.5,21.7 30.2,22 30.2,22.3 29.6,22.3 29.6,21.5 29.3,21.5 29.1,21.3 29.1,20.3 29.2,20.2 29.4,20.2 29.6,20 29.6,19.4
+1V1_VDDSOC_CAP on L5 (PWR): 15.5,21 15.5,21.9 17.1,23.5 20.3,23.5 20.4,23.6 20.4,25.1 32.7,25.1 32.7,39 48.2,39 48.2,25 43,25 39,21 39,14.7 37,12.7 33.4,12.7 32.5,11.8 32.5,7.4 32.4,7.3 19.4,7.3 19.4,11.1 21.2,12.9 23.7,12.9 23.7,19.6 16.9,19.6
